# Altium PCB T1_Card.PcbDoc (part 2 of 6) (continued)
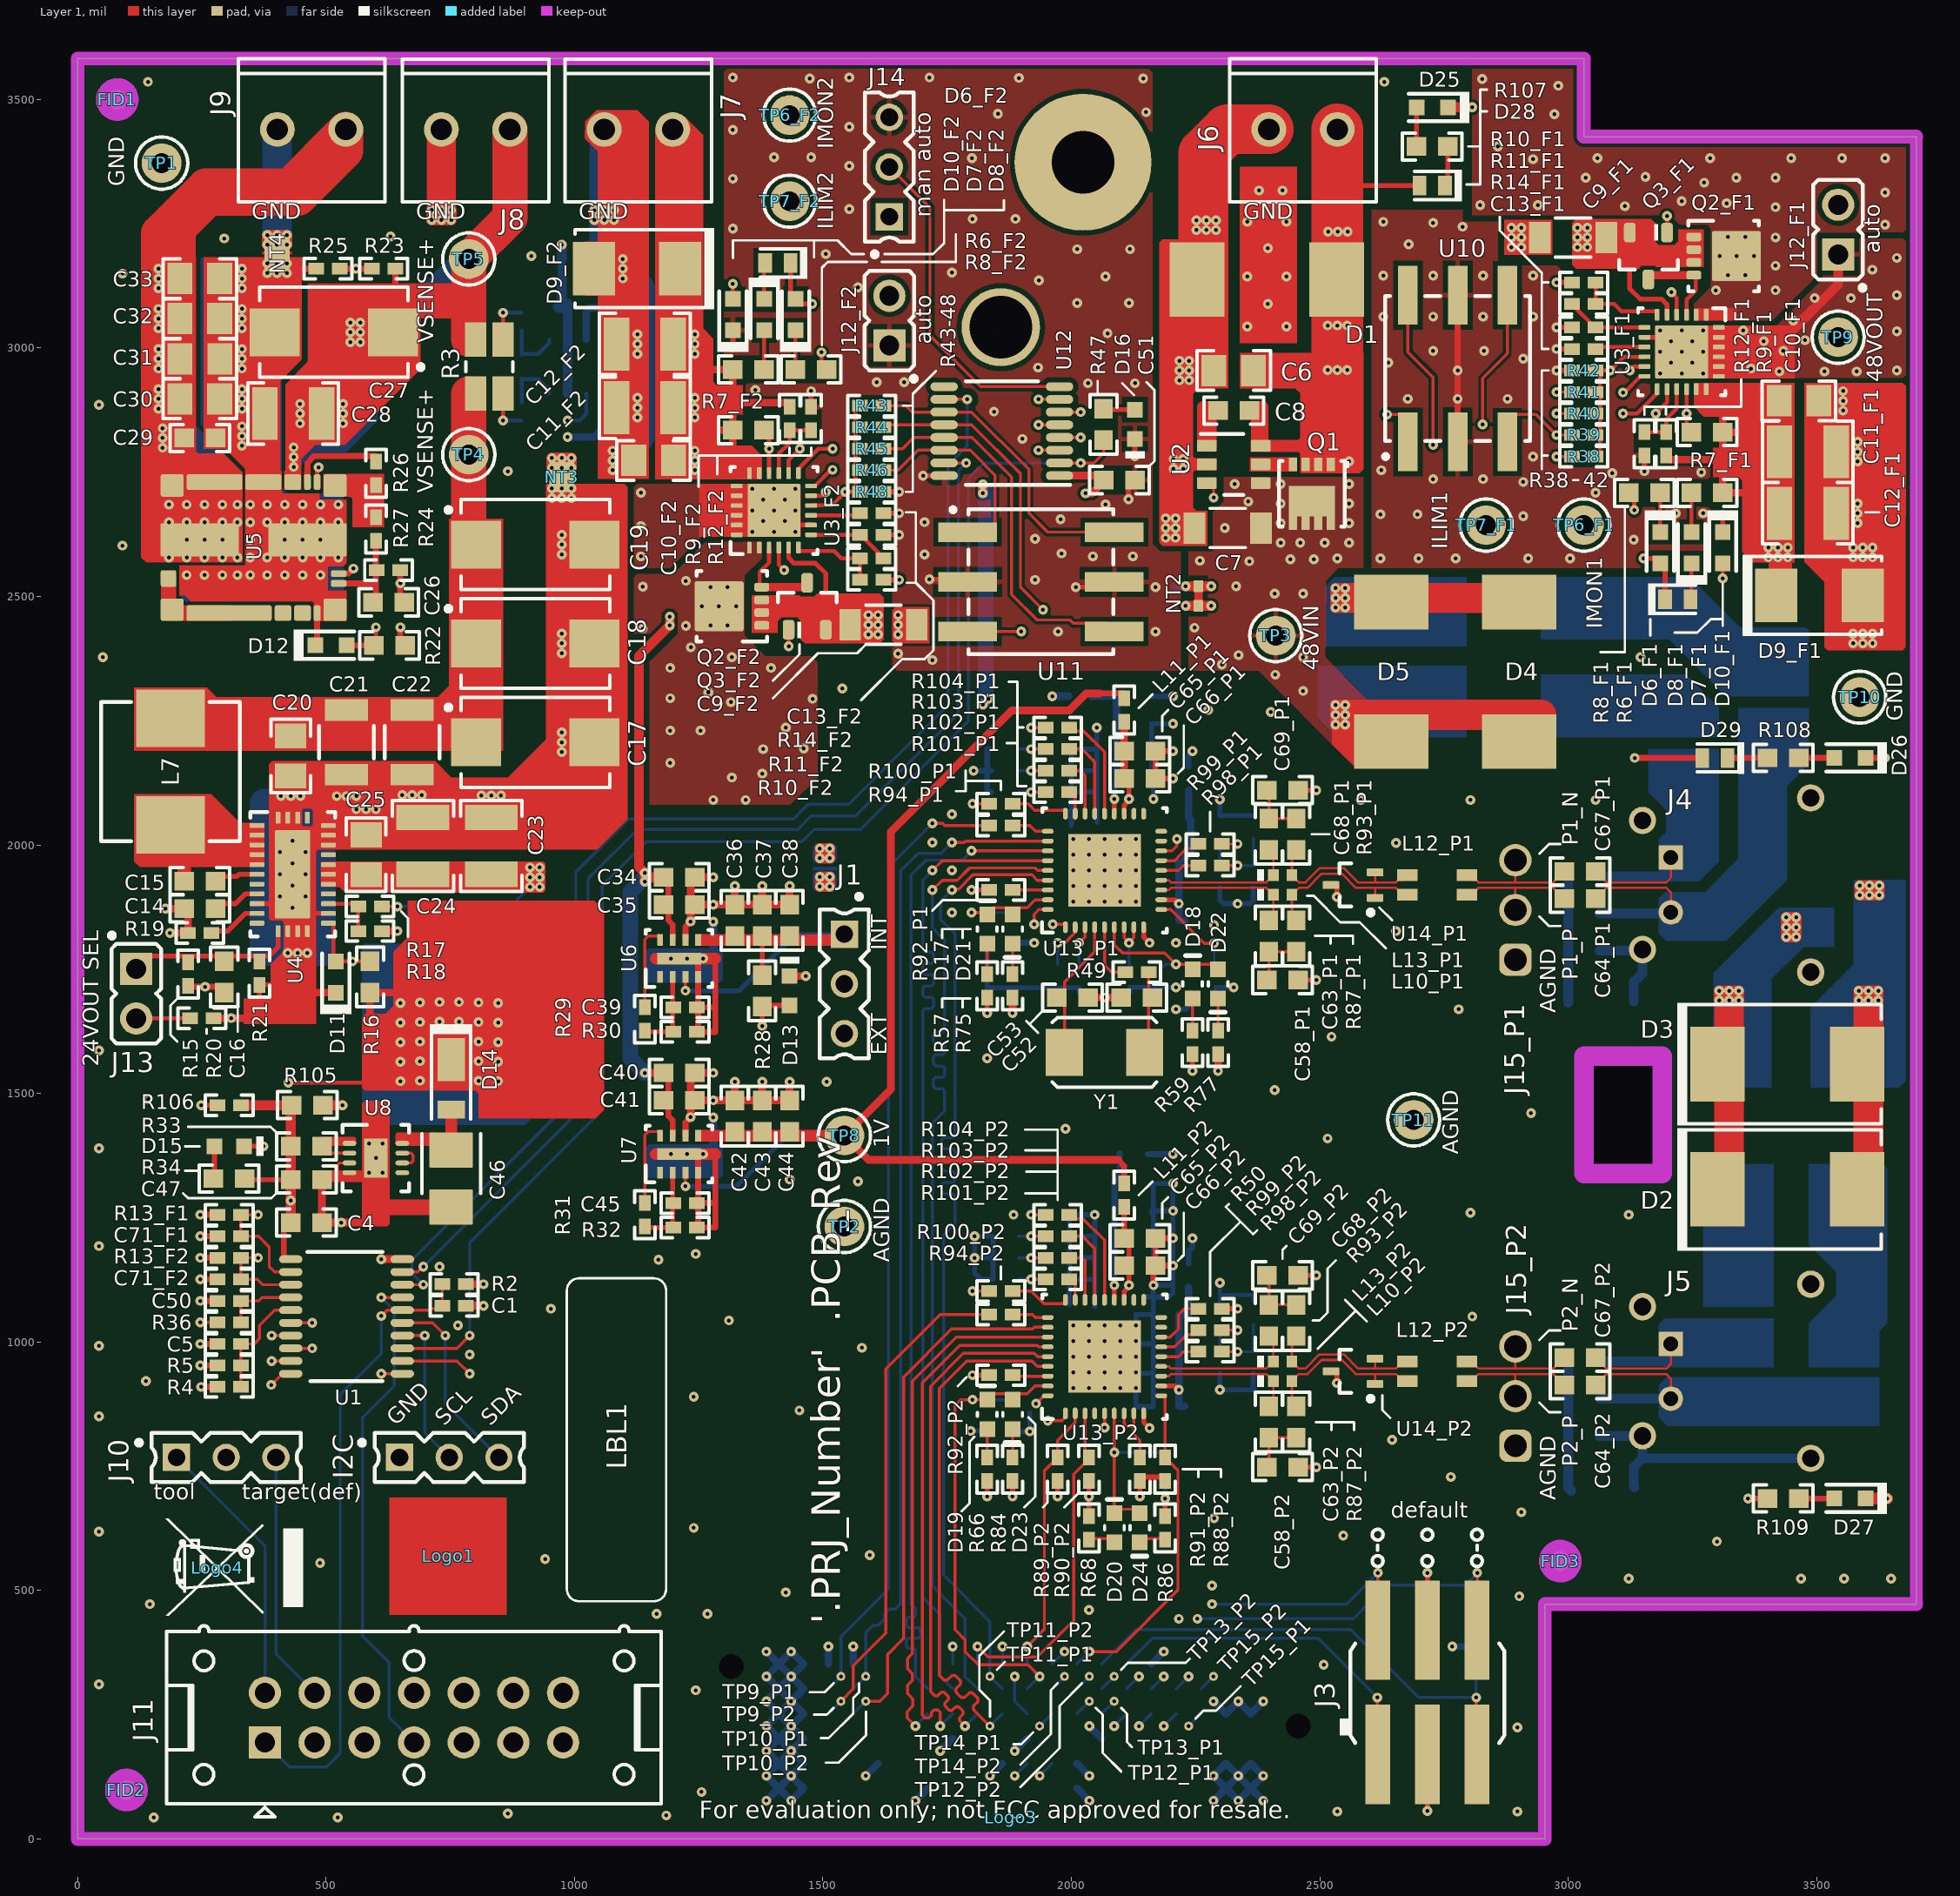
[diagram p0: Layer 1 view]
## Part data (continued)
R20: library part CMP-0026589-2, "RES, 8.25 k, 1%, 0.063 W, AEC-Q200 Grade 0, 0402", Manufacturer=Vishay-Dale, Power_W=63mW, Supplier Part Number 1=541-8.25KLCT-ND, TempCo="100 ppm/C", Tolerance_%=1%, Value2=0.063W, Value_Code=8k25, ValueDisplayed=8.25k, AEC Category=Q200, AEC Grade=0, AEC Qualified=Y, ComponentLink1Description="Datasheet link", ComponentLink1URL=http://www.vishay.com/docs/20035/dcrcwe3.pdf, CompType=Resistor, EIA_Code=E96, MountType=SMT, PackageReference=0402, PartNumber=CRCW04028K25FKED, Res_ohm=8.25k, RoHS=E, SizeArea_mm2=0.5, SizeX_mm=1, SizeY_mm=0.5, SizeZ_mm=0.6, Supplier 1=Digi-Key, Supplier 2=Newark, Supplier 3=Mouser, Supplier Part Number 2=52K7288, Supplier Part Number 3=71-CRCW0402-8.25K-E3, Technology="Thick Film", Value1=1%, VDC_V=50V
R21: library part CMP-0026619-3, "RES, 9.09 k, 1%, 0.063 W, AEC-Q200 Grade 0, 0402", Manufacturer=Vishay-Dale, Power_W=63mW, Supplier Part Number 1=541-9.09KLCT-ND, TempCo="100 ppm/C", Tolerance_%=1%, Value2=0.063W, Value_Code=9k09, ValueDisplayed=9.09k, AEC Category=Q200, AEC Grade=0, AEC Qualified=Y, ComponentLink1Description="Datasheet link", ComponentLink1URL=http://www.vishay.com/docs/20035/dcrcwe3.pdf, CompType=Resistor, EIA_Code=E96, MountType=SMT, PackageReference=0402, PartNumber=CRCW04029K09FKED, Res_ohm=9.09k, RoHS=E, SizeArea_mm2=0.5, SizeX_mm=1, SizeY_mm=0.5, SizeZ_mm=0.6, Supplier 1=Digi-Key, Supplier 2=Newark, Supplier 3=Mouser, Supplier Part Number 2=52K7332, Supplier Part Number 3=71-CRCW0402-9.09K-E3, Technology="Thick Film", Value1=1%, VDC_V=50V
R22: library part CMP-0022236-1, "RES, 24.3 k, 1%, 0.1 W, 0603", Manufacturer=Vishay-Dale, Power_W=100mW, Supplier Part Number 1=541-24.3KHCT-ND, TempCo="100 ppm/C", Tolerance_%=1%, Value2=0.1W, Value_Code=24k3, ValueDisplayed=24.3k, AEC Category=Q200, AEC Qualified=?, ComponentLink1Description="Datasheet link", ComponentLink1URL=http://www.vishay.com/docs/20035/dcrcwe3.pdf, CompType=Resistor, EIA_Code=E96, LatestRevisionDate=2017-03-09, MountType=SMT, PackageReference=0603, PartNumber=CRCW060324K3FKEA, Published=2008-06-26, Publisher="Texas Instruments", Res_ohm=24.3k, RoHS=Y, SizeArea_mm2=1.28, SizeX_mm=1.6, SizeY_mm=0.8, SizeZ_mm=1, Supplier 1=Digi-Key, Supplier 2=Newark, Supplier 3=Mouser, Supplier Part Number 2=52K8314, Supplier Part Number 3=71-CRCW0603-24.3K-E3, Technology="Thick Film", U/M=EA, Value1=1%, VDC_V=75V
R24: library part CMP-0026367-2, "RES, 40.2 k, 1%, 0.063 W, AEC-Q200 Grade 0, 0402", Manufacturer=Vishay-Dale, Power_W=63mW, Supplier Part Number 1=541-40.2KLCT-ND, TempCo="100 ppm/C", Tolerance_%=1%, Value2=0.063W, Value_Code=40k2, ValueDisplayed=40.2k, AEC Category=Q200, AEC Grade=0, AEC Qualified=Y, ComponentLink1Description="Datasheet link", ComponentLink1URL=http://www.vishay.com/docs/20035/dcrcwe3.pdf, CompType=Resistor, EIA_Code=E96, MountType=SMT, PackageReference=0402, PartNumber=CRCW040240K2FKED, Res_ohm=40.2k, RoHS=E, SizeArea_mm2=0.5, SizeX_mm=1, SizeY_mm=0.5, SizeZ_mm=0.6, Supplier 1=Digi-Key, Supplier 2=Newark, Supplier 3=Mouser, Supplier Part Number 2=52K7049, Supplier Part Number 3=71-CRCW0402-40.2K-E3, Technology="Thick Film", Value1=1%, VDC_V=50V
R25: library part CMP-0026163-2, "RES, 20.5 k, 1%, 0.063 W, AEC-Q200 Grade 0, 0402", Manufacturer=Vishay-Dale, Power_W=63mW, Supplier Part Number 1=541-20.5KLCT-ND, TempCo="100 ppm/C", Tolerance_%=1%, Value2=0.063W, Value_Code=20k5, ValueDisplayed=20.5k, AEC Category=Q200, AEC Grade=0, AEC Qualified=Y, ComponentLink1Description="Datasheet link", ComponentLink1URL=http://www.vishay.com/docs/20035/dcrcwe3.pdf, CompType=Resistor, EIA_Code=E96, MountType=SMT, PackageReference=0402, PartNumber=CRCW040220K5FKED, Res_ohm=20.5k, RoHS=E, SizeArea_mm2=0.5, SizeX_mm=1, SizeY_mm=0.5, SizeZ_mm=0.6, Supplier 1=Digi-Key, Supplier 2=Newark, Supplier 3=Mouser, Supplier Part Number 2=52K6819, Supplier Part Number 3=71-CRCW0402-20.5K-E3, Technology="Thick Film", Value1=1%, VDC_V=50V
R26: library part CMP-0026586-2, "RES, 88.7 k, 1%, 0.063 W, AEC-Q200 Grade 0, 0402", Manufacturer=Vishay-Dale, Power_W=63mW, Supplier Part Number 1=541-88.7KLCT-ND, TempCo="100 ppm/C", Tolerance_%=1%, Value2=0.063W, Value_Code=88k7, ValueDisplayed=88.7k, AEC Category=Q200, AEC Grade=0, AEC Qualified=Y, ComponentLink1Description="Datasheet link", ComponentLink1URL=http://www.vishay.com/docs/20035/dcrcwe3.pdf, CompType=Resistor, EIA_Code=E96, MountType=SMT, PackageReference=0402, PartNumber=CRCW040288K7FKED, Res_ohm=88.7k, RoHS=E, SizeArea_mm2=0.5, SizeX_mm=1, SizeY_mm=0.5, SizeZ_mm=0.6, Supplier 1=Digi-Key, Supplier 2=Newark, Supplier 3=Mouser, Supplier Part Number 2=52K7326, Supplier Part Number 3=71-CRCW0402-88.7K-E3, Technology="Thick Film", Value1=1%, VDC_V=50V
R28 R34 R47 R105: library part CMP-0022421-5, "RES, 432, 1%, 0.1 W, AEC-Q200 Grade 0, 0603", Manufacturer=Vishay-Dale, Power_W=100mW, Supplier Part Number 1=541-432HCT-ND, TempCo="100 ppm/C", Tolerance_%=1%, Value2=0.1W, Value_Code=432R, ValueDisplayed=432, AEC Category=Q200, AEC Grade=0, AEC Qualified=Y, ComponentLink1Description="Datasheet link", ComponentLink1URL=http://www.vishay.com/docs/20035/dcrcwe3.pdf, CompType=Resistor, EIA_Code=E96, MountType=SMT, PackageReference=0603, PartNumber=CRCW0603432RFKEA, Res_ohm=432, RoHS=E, SizeArea_mm2=1.28, SizeX_mm=1.6, SizeY_mm=0.8, SizeZ_mm=1, Supplier 1=Digi-Key, Supplier 2=Newark, Supplier 3=Mouser, Supplier Part Number 2=52K8531, Supplier Part Number 3=71-CRCW0603-432-E3, Technology="Thick Film", Value1=1%, VDC_V=75V
R29: library part CMP-0025973-3, "RES, 118 k, 1%, 0.063 W, AEC-Q200 Grade 0, 0402", Manufacturer=Vishay-Dale, Power_W=63mW, Supplier Part Number 1=541-118KLCT-ND, TempCo="100 ppm/C", Tolerance_%=1%, Value2=0.063W, Value_Code=118k, AEC Category=Q200, AEC Grade=0, AEC Qualified=Y, ComponentLink1Description="Datasheet link", ComponentLink1URL=http://www.vishay.com/docs/20035/dcrcwe3.pdf, CompType=Resistor, EIA_Code=E96, MountType=SMT, PackageReference=0402, PartNumber=CRCW0402118KFKED, Res_ohm=118k, RoHS=E, SizeArea_mm2=0.5, SizeX_mm=1, SizeY_mm=0.5, SizeZ_mm=0.6, Supplier 1=Digi-Key, Supplier 2=Newark, Supplier 3=Mouser, Supplier Part Number 2=52K6643, Supplier Part Number 3=71-CRCW0402-118K-E3, Technology="Thick Film", Value1=1%, ValueDisplayed=118k, VDC_V=50V
R30: library part CMP-0026021-3, "RES, 150 k, 1%, 0.063 W, AEC-Q200 Grade 0, 0402", Manufacturer=Vishay-Dale, Power_W=63mW, Supplier Part Number 1=541-150KLCT-ND, TempCo="100 ppm/C", Tolerance_%=1%, Value2=0.063W, Value_Code=150k, AEC Category=Q200, AEC Grade=0, AEC Qualified=Y, ComponentLink1Description="Datasheet link", ComponentLink1URL=http://www.vishay.com/docs/20035/dcrcwe3.pdf, CompType=Resistor, EIA_Code=E96, MountType=SMT, PackageReference=0402, PartNumber=CRCW0402150KFKED, Res_ohm=150k, RoHS=E, SizeArea_mm2=0.5, SizeX_mm=1, SizeY_mm=0.5, SizeZ_mm=0.6, Supplier 1=Digi-Key, Supplier 2=Newark, Supplier 3=Mouser, Supplier Part Number 2=52K6719, Supplier Part Number 3=71-CRCW0402-150K-E3, Technology="Thick Film", Value1=1%, ValueDisplayed=150k, VDC_V=50V
R31: library part CMP-0026582-2, "RES, 86.6 k, 1%, 0.063 W, AEC-Q200 Grade 0, 0402", Manufacturer=Vishay-Dale, Power_W=63mW, Supplier Part Number 1=541-86.6KLCT-ND, TempCo="100 ppm/C", Tolerance_%=1%, Value2=0.063W, Value_Code=86k6, ValueDisplayed=86.6k, AEC Category=Q200, AEC Grade=0, AEC Qualified=Y, ComponentLink1Description="Datasheet link", ComponentLink1URL=http://www.vishay.com/docs/20035/dcrcwe3.pdf, CompType=Resistor, EIA_Code=E96, MountType=SMT, PackageReference=0402, PartNumber=CRCW040286K6FKED, Res_ohm=86.6k, RoHS=E, SizeArea_mm2=0.5, SizeX_mm=1, SizeY_mm=0.5, SizeZ_mm=0.6, Supplier 1=Digi-Key, Supplier 2=Newark, Supplier 3=Mouser, Supplier Part Number 2=52K7318, Supplier Part Number 3=71-CRCW0402-86.6K-E3, Technology="Thick Film", Value1=1%, VDC_V=50V
R32: library part CMP-0026060-3, "RES, 18.7 k, 1%, 0.063 W, AEC-Q200 Grade 0, 0402", Manufacturer=Vishay-Dale, Power_W=63mW, Supplier Part Number 1=541-18.7KLCT-ND, TempCo="100 ppm/C", Tolerance_%=1%, Value2=0.063W, Value_Code=18k7, ValueDisplayed=18.7k, AEC Category=Q200, AEC Grade=0, AEC Qualified=Y, ComponentLink1Description="Datasheet link", ComponentLink1URL=http://www.vishay.com/docs/20035/dcrcwe3.pdf, CompType=Resistor, EIA_Code=E96, MountType=SMT, PackageReference=0402, PartNumber=CRCW040218K7FKED, Res_ohm=18.7k, RoHS=E, SizeArea_mm2=0.5, SizeX_mm=1, SizeY_mm=0.5, SizeZ_mm=0.6, Supplier 1=Digi-Key, Supplier 2=Newark, Supplier 3=Mouser, Supplier Part Number 2=52K6759, Supplier Part Number 3=71-CRCW0402-18.7K-E3, Technology="Thick Film", Value1=1%, VDC_V=50V
R33: library part CMP-0022170-1, "RES, 1.00, 1%, 0.1 W, 0603", Manufacturer=Vishay-Dale, Power_W=100mW, Supplier Part Number 1=52K8059, TempCo="100 ppm/C", Tolerance_%=1%, Value2=0.1W, Value_Code=1R00, ValueDisplayed=1.00, AEC Category=Q200, AEC Qualified=?, ComponentLink1Description="Datasheet link", ComponentLink1URL=http://www.vishay.com/docs/20035/dcrcwe3.pdf, CompType=Resistor, EIA_Code=E96, LatestRevisionDate=2017-03-09, MountType=SMT, PackageReference=0603, PartNumber=CRCW06031R00FKEA, Published=2008-06-26, Publisher="Texas Instruments", Res_ohm=1, RoHS=Y, SizeArea_mm2=1.28, SizeX_mm=1.6, SizeY_mm=0.8, SizeZ_mm=1, Supplier 1=Newark, Supplier 2=Mouser, Supplier 3=Farnell, Supplier Part Number 2=71-CRCW06031R00FKEA, Supplier Part Number 3=1616871, Technology="Thick Film", U/M=EA, Value1=1%, VDC_V=75V
R35 R37 R106: library part CMP-0026432-2, "RES, 4.75, 1%, 0.063 W, AEC-Q200 Grade 0, 0402", Manufacturer=Vishay-Dale, Power_W=63mW, Supplier Part Number 1=541-4.75LLCT-ND, TempCo="100 ppm/C", Tolerance_%=1%, Value2=0.063W, Value_Code=4R75, ValueDisplayed=4.75, AEC Category=Q200, AEC Grade=0, AEC Qualified=Y, ComponentLink1Description="Datasheet link", ComponentLink1URL=http://www.vishay.com/docs/20035/dcrcwe3.pdf, CompType=Resistor, EIA_Code=E96, MountType=SMT, PackageReference=0402, PartNumber=CRCW04024R75FKED, Res_ohm=4.75, RoHS=E, SizeArea_mm2=0.5, SizeX_mm=1, SizeY_mm=0.5, SizeZ_mm=0.6, Supplier 1=Digi-Key, Supplier 2=Mouser, Supplier Part Number 2=71-CRCW0402-4.75-E3, Technology="Thick Film", Value1=1%, VDC_V=50V
R36: library part CMP-0026071-3, "RES, 1.00 k, 1%, 0.063 W, AEC-Q200 Grade 0, 0402", Manufacturer=Vishay-Dale, Power_W=63mW, Supplier Part Number 1=541-1.00KLCT-ND, TempCo="100 ppm/C", Tolerance_%=1%, Value2=0.063W, Value_Code=1k00, ValueDisplayed=1.00k, AEC Category=Q200, AEC Grade=0, AEC Qualified=Y, ComponentLink1Description="Datasheet link", ComponentLink1URL=http://www.vishay.com/docs/20035/dcrcwe3.pdf, CompType=Resistor, EIA_Code=E96, MountType=SMT, PackageReference=0402, PartNumber=CRCW04021K00FKED, Res_ohm=1k, RoHS=E, SizeArea_mm2=0.5, SizeX_mm=1, SizeY_mm=0.5, SizeZ_mm=0.6, Supplier 1=Digi-Key, Supplier 2=Newark, Supplier 3=Mouser, Supplier Part Number 2=52K6545, Supplier Part Number 3=71-CRCW0402-1.0K-E3, Technology="Thick Film", Value1=1%, VDC_V=50V
R38: library part CMP-0026555-2, "RES, 7.50 k, 1%, 0.063 W, AEC-Q200 Grade 0, 0402", Manufacturer=Vishay-Dale, Power_W=63mW, Supplier Part Number 1=541-7.50KLCT-ND, TempCo="100 ppm/C", Tolerance_%=1%, Value2=0.063W, Value_Code=7k50, ValueDisplayed=7.50k, AEC Category=Q200, AEC Grade=0, AEC Qualified=Y, ComponentLink1Description="Datasheet link", ComponentLink1URL=http://www.vishay.com/docs/20035/dcrcwe3.pdf, CompType=Resistor, EIA_Code=E96, MountType=SMT, PackageReference=0402, PartNumber=CRCW04027K50FKED, Res_ohm=7.5k, RoHS=E, SizeArea_mm2=0.5, SizeX_mm=1, SizeY_mm=0.5, SizeZ_mm=0.6, Supplier 1=Digi-Key, Supplier 2=Newark, Supplier 3=Mouser, Supplier Part Number 2=52K7245, Supplier Part Number 3=71-CRCW0402-7.5K-E3, Technology="Thick Film", Value1=1%, VDC_V=50V
R39: library part CMP-0026027-3, "RES, 15.0 k, 1%, 0.063 W, AEC-Q200 Grade 0, 0402", Manufacturer=Vishay-Dale, Power_W=63mW, Supplier Part Number 1=541-15.0KLCT-ND, TempCo="100 ppm/C", Tolerance_%=1%, Value2=0.063W, Value_Code=15k0, ValueDisplayed=15.0k, AEC Category=Q200, AEC Grade=0, AEC Qualified=Y, ComponentLink1Description="Datasheet link", ComponentLink1URL=http://www.vishay.com/docs/20035/dcrcwe3.pdf, CompType=Resistor, EIA_Code=E96, MountType=SMT, PackageReference=0402, PartNumber=CRCW040215K0FKED, Res_ohm=15k, RoHS=E, SizeArea_mm2=0.5, SizeX_mm=1, SizeY_mm=0.5, SizeZ_mm=0.6, Supplier 1=Digi-Key, Supplier 2=Newark, Supplier 3=Mouser, Supplier Part Number 2=52K6708, Supplier Part Number 3=71-CRCW0402-15K-E3, Technology="Thick Film", Value1=1%, VDC_V=50V
R40: library part CMP-0026284-2, "RES, 30.1 k, 1%, 0.063 W, AEC-Q200 Grade 0, 0402", Manufacturer=Vishay-Dale, Power_W=63mW, Supplier Part Number 1=541-30.1KLCT-ND, TempCo="100 ppm/C", Tolerance_%=1%, Value2=0.063W, Value_Code=30k1, ValueDisplayed=30.1k, AEC Category=Q200, AEC Grade=0, AEC Qualified=Y, ComponentLink1Description="Datasheet link", ComponentLink1URL=http://www.vishay.com/docs/20035/dcrcwe3.pdf, CompType=Resistor, EIA_Code=E96, MountType=SMT, PackageReference=0402, PartNumber=CRCW040230K1FKED, Res_ohm=30.1k, RoHS=E, SizeArea_mm2=0.5, SizeX_mm=1, SizeY_mm=0.5, SizeZ_mm=0.6, Supplier 1=Digi-Key, Supplier 2=Newark, Supplier 3=Mouser, Supplier Part Number 2=52K6954, Supplier Part Number 3=71-CRCW0402-30.1K-E3, Technology="Thick Film", Value1=1%, VDC_V=50V
R43: library part CMP-0025976-3, "RES, 11.3 k, 1%, 0.063 W, AEC-Q200 Grade 0, 0402", Manufacturer=Vishay-Dale, Power_W=63mW, Supplier Part Number 1=541-11.3KLCT-ND, TempCo="100 ppm/C", Tolerance_%=1%, Value2=0.063W, Value_Code=11k3, ValueDisplayed=11.3k, AEC Category=Q200, AEC Grade=0, AEC Qualified=Y, ComponentLink1Description="Datasheet link", ComponentLink1URL=http://www.vishay.com/docs/20035/dcrcwe3.pdf, CompType=Resistor, EIA_Code=E96, MountType=SMT, PackageReference=0402, PartNumber=CRCW040211K3FKED, Res_ohm=11.3k, RoHS=E, SizeArea_mm2=0.5, SizeX_mm=1, SizeY_mm=0.5, SizeZ_mm=0.6, Supplier 1=Digi-Key, Supplier 2=Newark, Supplier 3=Mouser, Supplier Part Number 2=52K6622, Supplier Part Number 3=71-CRCW0402-11.3K-E3, Technology="Thick Film", Value1=1%, VDC_V=50V
R44: library part CMP-0026179-2, "RES, 22.6 k, 1%, 0.063 W, AEC-Q200 Grade 0, 0402", Manufacturer=Vishay-Dale, Power_W=63mW, Supplier Part Number 1=541-22.6KLCT-ND, TempCo="100 ppm/C", Tolerance_%=1%, Value2=0.063W, Value_Code=22k6, ValueDisplayed=22.6k, AEC Category=Q200, AEC Grade=0, AEC Qualified=Y, ComponentLink1Description="Datasheet link", ComponentLink1URL=http://www.vishay.com/docs/20035/dcrcwe3.pdf, CompType=Resistor, EIA_Code=E96, MountType=SMT, PackageReference=0402, PartNumber=CRCW040222K6FKED, Res_ohm=22.6k, RoHS=E, SizeArea_mm2=0.5, SizeX_mm=1, SizeY_mm=0.5, SizeZ_mm=0.6, Supplier 1=Digi-Key, Supplier 2=Newark, Supplier 3=Mouser, Supplier Part Number 2=52K6845, Supplier Part Number 3=71-CRCW0402-22.6K-E3, Technology="Thick Film", Value1=1%, VDC_V=50V
R45: library part CMP-0026387-2, "RES, 45.3 k, 1%, 0.063 W, AEC-Q200 Grade 0, 0402", Manufacturer=Vishay-Dale, Power_W=63mW, Supplier Part Number 1=541-45.3KLCT-ND, TempCo="100 ppm/C", Tolerance_%=1%, Value2=0.063W, Value_Code=45k3, ValueDisplayed=45.3k, AEC Category=Q200, AEC Grade=0, AEC Qualified=Y, ComponentLink1Description="Datasheet link", ComponentLink1URL=http://www.vishay.com/docs/20035/dcrcwe3.pdf, CompType=Resistor, EIA_Code=E96, MountType=SMT, PackageReference=0402, PartNumber=CRCW040245K3FKED, Res_ohm=45.3k, RoHS=E, SizeArea_mm2=0.5, SizeX_mm=1, SizeY_mm=0.5, SizeZ_mm=0.6, Supplier 1=Digi-Key, Supplier 2=Newark, Supplier 3=Mouser, Supplier Part Number 2=52K7083, Supplier Part Number 3=71-CRCW0402-45.3K-E3, Technology="Thick Film", Value1=1%, VDC_V=50V
R46 R48: library part CMP-0026605-2, "RES, 90.9 k, 1%, 0.063 W, AEC-Q200 Grade 0, 0402", Manufacturer=Vishay-Dale, Power_W=63mW, Supplier Part Number 1=541-90.9KLCT-ND, TempCo="100 ppm/C", Tolerance_%=1%, Value2=0.063W, Value_Code=90k9, ValueDisplayed=90.9k, AEC Category=Q200, AEC Grade=0, AEC Qualified=Y, ComponentLink1Description="Datasheet link", ComponentLink1URL=http://www.vishay.com/docs/20035/dcrcwe3.pdf, CompType=Resistor, EIA_Code=E96, MountType=SMT, PackageReference=0402, PartNumber=CRCW040290K9FKED, Res_ohm=90.9k, RoHS=E, SizeArea_mm2=0.5, SizeX_mm=1, SizeY_mm=0.5, SizeZ_mm=0.6, Supplier 1=Digi-Key, Supplier 2=Newark, Supplier 3=Mouser, Supplier Part Number 2=52K7338, Supplier Part Number 3=71-CRCW0402-90.9K-E3, Technology="Thick Film", Value1=1%, VDC_V=50V
R49 R92_P1 R92_P2: library part CMP-0026822-2, "RES, 0, 5%, 0.063 W, 0402", Manufacturer=Vishay-Dale, Power_W=63mW, Supplier Part Number 1=541-0.0JCT-ND, TempCo="200 ppm/C", Tolerance_%=5%, Value2=0.063W, Value_Code=0000, ValueDisplayed=0, AEC Category=Q200, AEC Qualified=?, ComponentLink1Description="Datasheet link", ComponentLink1URL=http://www.vishay.com/docs/20035/dcrcwe3.pdf, CompType=Resistor, EIA_Code=E24, LatestRevisionDate=2017-03-09, MountType=SMT, PackageReference=0402, PartNumber=CRCW04020000Z0ED, Published=2008-06-26, Publisher="Texas Instruments", Res_ohm=0, RoHS=Y, SizeArea_mm2=0.5, SizeX_mm=1, SizeY_mm=0.5, SizeZ_mm=0.6, Supplier 1=Digi-Key, Supplier 2=Newark, Supplier 3=Mouser, Supplier Part Number 2=52K6543, Supplier Part Number 3=71-CRCW0402-0-E3, Technology="Thick Film", U/M=EA, Value1=5%, VDC_V=50V
R57 R59 R66 R68 R75 R77 R84 R86: library part CMP-0026948-3, "RES, 560, 5%, 0.063 W, AEC-Q200 Grade 0, 0402", Manufacturer=Vishay-Dale, Power_W=63mW, Supplier Part Number 1=541-560JCT-ND, TempCo="200 ppm/C", Tolerance_%=5%, Value2=0.063W, Value_Code=560R, ValueDisplayed=560, AEC Category=Q200, AEC Grade=0, AEC Qualified=Y, ComponentLink1Description="Datasheet link", ComponentLink1URL=http://www.vishay.com/docs/20035/dcrcwe3.pdf, CompType=Resistor, EIA_Code=E24, MountType=SMT, PackageReference=0402, PartNumber=CRCW0402560RJNED, Res_ohm=560, RoHS=E, SizeArea_mm2=0.5, SizeX_mm=1, SizeY_mm=0.5, SizeZ_mm=0.6, Supplier 1=Digi-Key, Supplier 2=Newark, Supplier 3=Mouser, Supplier Part Number 2=59M6740, Supplier Part Number 3=71-CRCW0402J-560-E3, Technology="Thick Film", Value1=5%, VDC_V=50V
R87_P1 R87_P2 R93_P1 R93_P2: library part CMP-0022968-4, "RES, 27.0, 1%, 0.1 W, 0603", Manufacturer=Yageo, Power_W=100mW, Supplier Part Number 1=311-27.0HRCT-ND, TempCo="100 ppm/C", Tolerance_%=1%, Value2=0.1W, Value_Code=27R0, ValueDisplayed=27.0, AEC Category=Q200, AEC Grade=N/A, AEC Qualified=N, ComponentLink1Description="Datasheet link", ComponentLink1URL=http://www.yageo.com/pdf/Pu-RC0603_51_PbFree_L_2.pdf, CompType=Resistor, MountType=SMT, PackageReference=0603, PartNumber=RC0603FR-0727RL, Res_ohm=27, RoHS=Y, SizeArea_mm2=1.28, SizeAreaWB_mm2=4.68, SizeX_mm=1.6, SizeY_mm=0.8, SizeZ_mm=1, Supplier 1=Digi-Key, Supplier 2=Mouser, Supplier 3=Farnell, Supplier Part Number 2=603-RC0603FR-0727RL, Supplier Part Number 3=9238298, Technology="Thick Film", Value1=1%, VDC_V=75V
R94_P1 R94_P2 R98_P1 R98_P2 R99_P1 R99_P2 R100_P1 R100_P2 R101_P1 R101_P2 R102_P1 R102_P2 R103_P1 R103_P2 R104_P1 R104_P2: library part CMP-0026880-3, "RES, 22, 5%, 0.063 W, AEC-Q200 Grade 0, 0402", Manufacturer=Vishay-Dale, Power_W=63mW, Supplier Part Number 1=541-22JCT-ND, TempCo="200 ppm/C", Tolerance_%=5%, Value2=0.063W, Value_Code=22R0, ValueDisplayed=22, AEC Category=Q200, AEC Grade=0, AEC Qualified=Y, ComponentLink1Description="Datasheet link", ComponentLink1URL=http://www.vishay.com/docs/20035/dcrcwe3.pdf, CompType=Resistor, EIA_Code=E24, MountType=SMT, PackageReference=0402, PartNumber=CRCW040222R0JNED, Res_ohm=22, RoHS=E, SizeArea_mm2=0.5, SizeX_mm=1, SizeY_mm=0.5, SizeZ_mm=0.6, Supplier 1=Digi-Key, Supplier 2=Newark, Supplier 3=Mouser, Supplier Part Number 2=59M6716, Supplier Part Number 3=71-CRCW0402J-22-E3, Technology="Thick Film", Value1=5%, VDC_V=50V
R95_P1 R95_P2 R96_P1 R96_P2: library part CMP-0022109-5, "RES, 1.00 k, 1%, 0.1 W, AEC-Q200 Grade 0, 0603", Manufacturer=Vishay-Dale, Power_W=100mW, Supplier Part Number 1=541-1.00KHCT-ND, TempCo="100 ppm/C", Tolerance_%=1%, Value2=0.1W, Value_Code=1k00, ValueDisplayed=1.00k, AEC Category=Q200, AEC Grade=0, AEC Qualified=Y, ComponentLink1Description="Datasheet link", ComponentLink1URL=http://www.vishay.com/docs/20035/dcrcwe3.pdf, CompType=Resistor, EIA_Code=E96, MountType=SMT, PackageReference=0603, PartNumber=CRCW06031K00FKEA, Res_ohm=1k, RoHS=E, SizeArea_mm2=1.28, SizeX_mm=1.6, SizeY_mm=0.8, SizeZ_mm=1, Supplier 1=Digi-Key, Supplier 2=Newark, Supplier 3=Mouser, Supplier Part Number 2=52K8015, Supplier Part Number 3=71-CRCW0603-1.0K-E3, Technology="Thick Film", Value1=1%, VDC_V=75V
R97_P1 R97_P2: library part CMP-0016568-3, "RES, 100 k, 1%, 0.25 W, AEC-Q200 Grade 0, 1206", Manufacturer=Vishay-Dale, Power_W=250mW, Supplier Part Number 1=541-100KFCT-ND, TempCo="100 ppm/C", Tolerance_%=1%, Value2=0.25W, Value_Code=100k, AEC Category=Q200, AEC Grade=0, AEC Qualified=Y, ComponentLink1Description="Datasheet link", ComponentLink1URL=http://www.vishay.com/docs/20035/dcrcwe3.pdf, CompType=Resistor, EIA_Code=E96, MountType=SMT, PackageReference=1206, PartNumber=CRCW1206100KFKEA, Res_ohm=100k, RoHS=E, SizeArea_mm2=5.12, SizeX_mm=3.2, SizeY_mm=1.6, SizeZ_mm=1.35, Supplier 1=Digi-Key, Supplier 2=Newark, Supplier 3=Mouser, Supplier Part Number 2=53K1920, Supplier Part Number 3=71-CRCW1206-100K-E3, Technology="Thick Film", Value1=1%, ValueDisplayed=100k, VDC_V=200V
TP1 TP2 TP10 TP11: library part CMP-0055138-1, "Test Point, Miniature, Black, TH", Color=Black, Manufacturer=Keystone, Supplier Part Number 1=36-5001-ND, CNHeader=FALSE, ComponentLink1Description="Datasheet URL", ComponentLink1URL=http://www.keyelco.com/userAssets/file/M60-2p60.pdf, CompType="Test Point", ContactFinish=Silver, CT=TRUE, Green_EU RoHS=Passed, Green_EU RoHS-2=Incomplete, Green_Lifecycle=Active, Green_REACh=Passed, LatestRevisionDate=26/05/2017, MountType=TH, PackageReference="Black Miniature Testpoint", PartNumber=5001, Publisher="Texas Instruments", RoHS=Y, Supplier 1=Digi-Key, Supplier 2=Mouser, Supplier Part Number 2=534-5001
TP3 TP4 TP5 TP8 TP9: library part CMP-0055137-1, "Test Point, Miniature, Red, TH", Color=Red, Manufacturer=Keystone, Supplier Part Number 1=36-5000-ND, CNHeader=FALSE, ComponentLink1Description="Datasheet URL", ComponentLink1URL=http://www.keyelco.com/userAssets/file/M60-2p60.pdf, CompType="Test Point", ContactFinish=Silver, CT=TRUE, Green_EU RoHS=Passed, Green_EU RoHS-2=Incomplete, Green_Lifecycle=Active, Green_REACh=Passed, LatestRevisionDate=26/05/2017, MountType=TH, PackageReference="Red Miniature Testpoint", PartNumber=5000, Publisher="Texas Instruments", RoHS=Y, Supplier 1=Digi-Key, Supplier 2=Mouser, Supplier Part Number 2=534-5000
TP6_F1 TP6_F2 TP7_F1 TP7_F2: library part CMP-0055139-1, "Test Point, Miniature, White, TH", Color=White, Manufacturer=Keystone, Supplier Part Number 1=36-5002-ND, CNHeader=FALSE, ComponentLink1Description="Datasheet URL", ComponentLink1URL=http://www.keyelco.com/userAssets/file/M60-2p60.pdf, CompType="Test Point", ContactFinish=Silver, CT=TRUE, Green_EU RoHS=Passed, Green_EU RoHS-2=Passed, Green_Lifecycle=Active, Green_REACh=Passed, LatestRevisionDate=26/05/2017, MountType=TH, PackageReference="White Miniature Testpoint", PartNumber=5002, Publisher="Texas Instruments", RoHS=Y, Supplier 1=Digi-Key, Supplier 2=Newark, Supplier 3=Mouser, Supplier Part Number 2=82H9632, Supplier Part Number 3=534-5002
TP9_P1 TP9_P2 TP10_P1 TP10_P2 TP11_P1 TP11_P2 TP12_P1 TP12_P2 TP13_P1 TP13_P2 TP14_P1 TP14_P2 TP15_P1 TP15_P2: library part CMP-0078143-1, "TEST POINT.  No entry in BOM.", Manufacturer=N/A, CompType=Testpoint, PackageReference=N/A, PartNumber=N/A
U1: library part CMP-0076660-1, "Enhanced Product Mixed Signal Microcontroller, PW0020A (TSSOP-20)", Alternate Manufacturer="Texas Instruments", Alternate PartNumber=MSP430G2332QPW2EP, ComponentLink1Description="Datasheet Link", ComponentLink1URL=http://www.ti.com/lit/ds/symlink/msp430g2332-ep.pdf, CompType=IC, LatestRevisionDate=2017-06-09, Manufacturer="Texas Instruments", MountType=SMT, PackageDescription=TSSOP-20, PackageReference=PW0020A, PartNumber=MSP430G2332QPW2REP, Publisher="Texas Instruments", RoHS=Y, SizeArea_mm2=43.56, SizeAreaWB_mm2=73.96, SizeX_mm=6.6, SizeY_mm=6.6, SizeZ_mm=1.2, U/M=EA
U2: library part CMP-0013281-4, "Low Iq Always ON Smart Diode Controller, DBV0006A (SOT-23-6)", Alternate Manufacturer="Texas Instruments", Alternate PartNumber=LM74700QDBVTQ1, AEC Category=Q200, AEC Qualified=Y, ComponentLink1Description="Datasheet Link", ComponentLink1URL=http://www.ti.com/lit/ds/symlink/lm74700-q1.pdf, ComponentLink2Description="Product Folder", ComponentLink2URL=http://www.ti.com/product/lm74700-q1, ComponentLink3Description="Online Datasheet", ComponentLink3URL=http://www.ti.com/product/lm74700-q1/datasheet, CompType=IC, Manufacturer="Texas Instruments", MountType=SMT, PackageDescription=SOT-23-6, PackageReference=DBV0006A, PartNumber=LM74700QDBVRQ1, SizeArea_mm2=8.12, SizeAreaWB_mm2=14.82, SizeX_mm=2.8, SizeY_mm=2.9, SizeZ_mm=1.45
U3_F1 U3_F2: library part CMP-0080692-2, "4.5V - 60V, 6A 29mO eFuse with Reverse Polarity Protection, RGE0024H (VQFN-24)", Alternate Manufacturer="Texas Instruments", Alternate PartNumber=TPS26631RGET, AEC Category=Q200, AEC Qualified=N, ComponentLink1Description="Datasheet Link", ComponentLink1URL=http://www.ti.com/lit/ds/symlink/tps26631.pdf, ComponentLink2Description="Product Folder", ComponentLink2URL=http://www.ti.com/product/tps26631, ComponentLink3Description="Online Datasheet", ComponentLink3URL=http://www.ti.com/product/tps26631/datasheet, CompType=IC, Manufacturer="Texas Instruments", MountType=SMT, PackageDescription=VQFN-24, PackageReference=RGE0024H, PartNumber=TPS26631RGER, SizeArea_mm2=16, SizeAreaWB_mm2=25, SizeX_mm=4, SizeY_mm=4, SizeZ_mm=1
U4: library part CMP-0013938-2, "SIMPLE SWITCHER 3.5V to 60V 3.5A Synchronous Step-Down Voltage Regulator, RNP0030B (WQFN-30)", Alternate Manufacturer="Texas Instruments", Alternate PartNumber=LM76003RNPT, ComponentLink1Description="Datasheet Link", ComponentLink1URL="https://sps06.itg.ti.com/sites/KMS/crossdivteams/altium/docs/ComponentDatasheets/LM76003_prelimDS_Jan 26 2017.docx", CompType=IC, LatestRevisionDate=2017-03-09, Manufacturer="Texas Instruments", MountType=SMT, PackageDescription=WQFN-30, PackageReference=RNP0030B, PartNumber=LM76003RNPR, Publisher="Texas Instruments", SizeArea_mm2=24, SizeAreaWB_mm2=48, SizeX_mm=4, SizeY_mm=6, SizeZ_mm=0.8, U/M=EA
U5: library part CMP-0081433-1, "4V to 36V, 2A Step-Down DC/DC Power Module in Compact 7x9x4mm QFN Package, RLR0018A (B3QFN-18)", Alternate Manufacturer="Texas Instruments", Alternate PartNumber=LMZM33603RLRT, Operating Temprature Range="-40 to 105 C", Rating=Catalog, AEC Category=Q200, AEC Qualified=N, ComponentLink1Description="Datasheet Link", ComponentLink1URL=http://www.ti.com/lit/ds/symlink/lmzm33603.pdf, ComponentLink2Description="Product Folder", ComponentLink2URL=http://www.ti.com/product/lmzm33603, ComponentLink3Description="Online Datasheet", ComponentLink3URL=http://www.ti.com/product/lmzm33603/datasheet, CompType=IC, Manufacturer="Texas Instruments", MountType=SMT, PackageDescription=B3QFN-18, PackageReference=RLR0018A, PartNumber=LMZM33603RLRR, RoHS=Y, SizeArea_mm2=63, SizeAreaWB_mm2=99, SizeX_mm=7, SizeY_mm=9, SizeZ_mm=4.1
U6 U7: library part CMP-0076407-2, "2.7V to 5.5V, 650mA High Density Nano Module, SIL0008A (USIP-8)", Alternate Manufacturer="Texas Instruments", Alternate PartNumber=LMZ10500SILT, AEC Category=Q200, AEC Qualified=N, ComponentLink1Description="Datasheet Link", ComponentLink1URL=http://www.ti.com/lit/ds/symlink/lmz10500.pdf, ComponentLink2Description="Product Folder", ComponentLink2URL=http://www.ti.com/product/lmz10500, ComponentLink3Description="Online Datasheet", ComponentLink3URL=http://www.ti.com/product/lmz10500/datasheet, CompType=IC, Manufacturer="Texas Instruments", MountType=SMT, PackageDescription=uSIP-8, PackageReference=SIL0008A, PartNumber=LMZ10500SILR, RoHS=Y, SizeArea_mm2=7.8, SizeAreaWB_mm2=14.4, SizeX_mm=2.6, SizeY_mm=3.0, SizeZ_mm=1.5
U8: library part CMP-0036258-1, "Single Output LDO, 100 mA, Fixed 3.3 V Output, 3.7 to 30 V Input, -40 to 125 degC, 8-Pin SON (DRG), RoHS, Tape and Reel", Manufacturer="Texas Instruments", Operating Temperature Range (C)="-40 to 125", Output Capacitor Type=Non-Ceramic, Rating=Catalog, Accuracy (%)=1.4, ComponentLink1Description="Manufacturer URL", ComponentLink1URL=http://www.ti.com/, ComponentLink2Description=Datasheet, ComponentLink2URL=http://www.ti.com/lit/ds/symlink/lp2950-30.pdf, ComponentLink3Description="Package Specification", ComponentLink3URL=http://www.ti.com/lit/ml/mpds151b/mpds151b.pdf, DatasheetVersion=SLVS582H, Fixed Output Options (V)=3.3, Iout (Max) (A)=0.1, Iq (Typ) (mA)=0.075, Mounting Technology="Surface Mount", Output Options="Fixed Output", PackageDescription="8-Pin Plastic Small Outline No-Lead, Body 3 x 3 mm, Pitch 0.5 mm", PackageReference=DRG0008A, PackageVersion=4205379/C, Packing="Tape and Reel", PartNumber=LP2951-33DRGR, RoHS=TRUE, Vdo (Typ) (mV)=380, Vin (Max) (V)=30, Vin (Min) (V)=3.7, Vout (Max) (V)=3.333, Vout (Min) (V)=3.267
U9: library part CMP-0013064-2, "Low- and High-Side Measurement, Multichannel, Voltage Output, Current-Sense Amplifier, DBV0005A (SOT-5)", Alternate Manufacturer="Texas Instruments", ComponentLink1Description="Datasheet Link", ComponentLink1URL=https://sps06.itg.ti.com/sites/KMS/crossdivteams/altium/docs/ComponentDatasheets/INA180.pdf, CompType=IC, LatestRevisionDate=2017-03-09, Manufacturer="Texas Instruments", MountType=SMT, PackageDescription=SOT-5, PackageReference=DBV0005A, PartNumber=INA180A2IDBV, Publisher="Texas Instruments", SizeArea_mm2=8.12, SizeAreaWB_mm2=14.82, SizeX_mm=2.8, SizeY_mm=2.9, SizeZ_mm=1.45, U/M=EA
U10 U11: library part CMP-0002168-2, "Switch, Rotary dip, 10POS, BCD, 24V, SMT", CurrentRating_mA=100A, Manufacturer=APEM, Supplier Part Number 1=679-1953-ND, Circuit=BCD, ComponentLink1Description="Datasheet URL", ComponentLink1URL=http://www.apem.com/files/apem/brochures/P36.pdf, CompType=Switch, LatestRevisionDate=2017-03-09, MountType=SMT, Orientation="Top Actuated", PackageReference="Switch, 7.4x3.8x7.4mm", PartNumber=P36S101, PositionCount=10, Publisher="Texas Instruments", RoHS=Y, Supplier 1=Digi-Key, Supplier 2=Newark, Supplier 3=Mouser, Supplier Part Number 2=92K8405, Supplier Part Number 3=642-P36S101, VDC_V=24V
U12: library part CMP-0044767-1, "Automotive Power Logic 8-Bit Shift Register LED Driver, PW0016A, LARGE T&R", Generic Part Number=TLC6C598-Q1, Manufacturer="Texas Instruments", Operating Temperature Range(C)="-40 to 125", Rating=Automotive, DatasheetVersion=SLIS142B, ICC(uA)=88, IO(CONT)(A)=0.05, PackageReference=PW0016A, rDS(on)(Ohms)=7.4, tPLH(ns)=218, VDS(Max)(V)=40
U13_P1 U13_P2: library part CMP-0013881-3, "DP83TC811Q1, RND0036A (VQFNP-36)", Alternate Manufacturer="Texas Instruments", ComponentLink1Description="Datasheet Link", ComponentLink1URL=https://sps06.itg.ti.com/sites/KMS/crossdivteams/altium/docs/ComponentDatasheets/DP83TC811PrelimFootprint.pdf, CompType=IC, LatestRevisionDate=2017-03-09, Manufacturer="Texas Instruments", MountType=SMT, PackageDescription=VQFNP-36, PackageReference=RND0036A, PartNumber=DP83TC811RNDQ1, Publisher="Texas Instruments", SizeArea_mm2=36, SizeAreaWB_mm2=64, SizeX_mm=6, SizeY_mm=6, SizeZ_mm=0.9, U/M=EA
U14_P1 U14_P2: library part CMP-0073595-1, "Automotive Dual-Channel High-Speed ESD Protection Device, DCK0003A (SOT-SC70-3)", Alternate Manufacturer="Texas Instruments", ComponentLink1Description="Datasheet Link", ComponentLink1URL=http://www.ti.com/lit/ds/symlink/tpd2e2u06-q1.pdf, CompType=IC, Footprint Path 6=C:\AltiumLibraries\Footprints\TI\.PcbLib, LatestRevisionDate=2017-06-09, Manufacturer="Texas Instruments", MountType=SMT, PackageDescription=SOT-SC70-3, PackageReference=DCK0003A, PartNumber=TPD2E2U06QDCKRQ1, Publisher="Texas Instruments", RoHS=Y, SizeArea_mm2=4.2, SizeAreaWB_mm2=9.3, SizeX_mm=2.1, SizeY_mm=2.0, SizeZ_mm=1.1, U/M=EA
Y1: library part CMP-0004620-3, "Crystal, 25 MHz, 18 pF, SMD", Frequency_Fixed=25MHz, Frequency Stability=+/-30ppm, Manufacturer="Abracon Corporation", Supplier Part Number 1=535-10645-1-ND, ComponentLink1Description="Datasheet Link", ComponentLink1URL=http://www.abracon.com/Resonators/abm3.pdf, CompType=Crystal, MountType=SMT, PackageReference=ABM3, PartNumber=ABM3-25.000MHZ-D2Y-T, REACh=Y, RoHS=E, Supplier 1=Digi-Key, Supplier 2=Newark, Supplier 3=Mouser, Supplier Part Number 2=77R1477, Supplier Part Number 3=815-ABM3-25-D2Y-T, TaMax_C=85°C, TaMin_C=-40°C

## Free pads (board coordinates)
  round 157.48 hole 125.98: 1(1857.92,3041.69)
  round 275.59 hole 125.98: 1(2023.62,3374.02)

## Via types
v1: diameter 19.68, hole 7.87, Layer 1 to Layer 6, 982 vias
v2: diameter 19.68, hole 7.87, Layer 1 to Layer 6, tented both sides, 45 vias

## Nets (pads, with @x,y where several pads share a name; then routed paths per layer and width w, separated by ;. In a path a pad name is that pad's centre, name@x,y a point inside that pad or via, vN(x,y) a via of type N, cw(c..) or ccw(c..) an arc to the next point about the centre after c; other vN are vias at no path point)
5: J2.5